# KiCad board panel-74pad-70pin-mezzanine.kicad_pcb (continued)
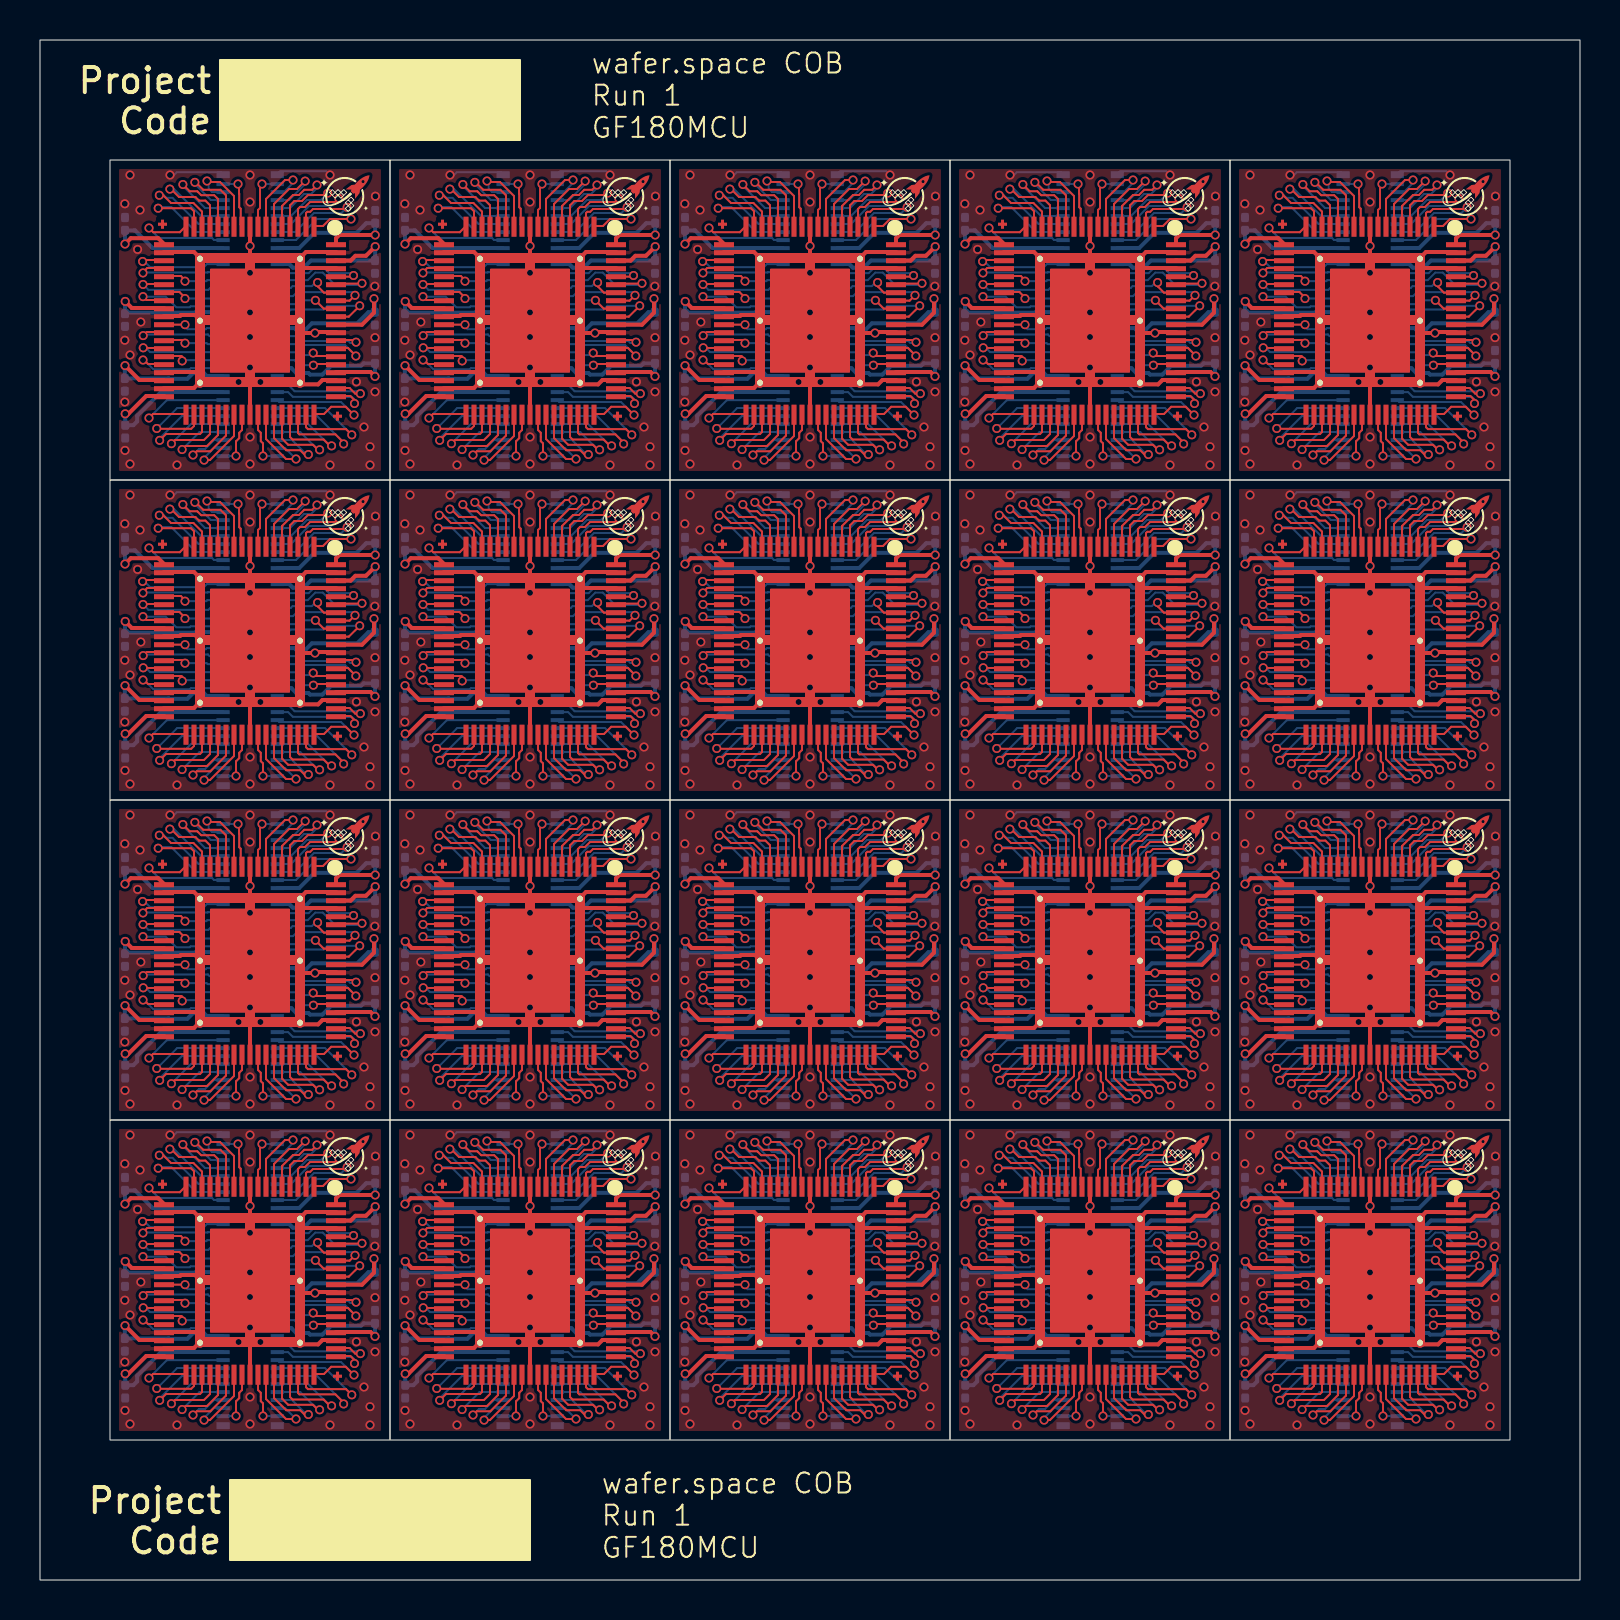
[diagram p0: board, top side]
## Routing (per net, layer and track width the routed paths; a pad name or vN(x,y) marks a point on that pad's centre or on a via; arc(x,y) is an arc through that point) (continued)
/pad_29: length 60.8
  Top w0.1: 62.2,14 63.09,14 v1(63.25,13.84) ; v1(49.25,29.84) 49.09,30 48.2,30 ; v1(63.25,29.84) 63.09,30 62.2,30 ; v1(21.25,13.84) 21.09,14 20.2,14 ; v1(21.25,61.84) 21.09,62 20.2,62 ; v1(7.25,61.84) 7.09,62 6.2,62 ; 34.2,14 35.09,14 v1(35.25,13.84) ; v1(49.25,61.84) 49.09,62 48.2,62 ; v1(35.25,45.84) 35.09,46 34.2,46 ; v1(63.25,45.84) 63.09,46 62.2,46 ; v1(7.25,13.84) 7.09,14 6.2,14 ; v1(21.25,45.84) 21.09,46 20.2,46 ; 20.2,30 21.09,30 v1(21.25,29.84) ; v1(63.25,61.84) 63.09,62 62.2,62 ; v1(49.25,13.84) 49.09,14 48.2,14 ; v1(49.25,45.84) 49.09,46 48.2,46 ; v1(7.25,29.84) 7.09,30 6.2,30 ; v1(7.25,45.84) 7.09,46 6.2,46 ; 34.2,30 35.09,30 v1(35.25,29.84) ; 34.2,62 35.09,62 v1(35.25,61.84)
  Bottom w0.1: v1(21.25,29.84) 22.33,29.84 22.38,29.8 U123.50 ; U117.50 50.38,45.8 50.33,45.84 v1(49.25,45.84) ; U121.50 8.38,29.8 8.33,29.84 v1(7.25,29.84) ; v1(35.25,45.84) 36.33,45.84 36.38,45.8 U115.50 ; v1(7.25,61.84) 8.33,61.84 8.38,61.8 U101.50 ; U109.50 64.38,61.8 64.33,61.84 v1(63.25,61.84) ; v1(21.25,13.84) 22.33,13.84 22.38,13.8 U133.50 ; v1(21.25,45.84) 22.33,45.84 22.38,45.8 U113.50 ; v1(63.25,45.84) 64.33,45.84 64.38,45.8 U119.50 ; U125.50 36.38,29.8 36.33,29.84 v1(35.25,29.84) ; U107.50 50.38,61.8 50.33,61.84 v1(49.25,61.84) ; v1(35.25,13.84) 36.33,13.84 36.38,13.8 U135.50 ; U111.50 8.38,45.8 8.33,45.84 v1(7.25,45.84) ; v1(63.25,29.84) 64.33,29.84 64.38,29.8 U129.50 ; v1(7.25,13.84) 8.33,13.84 8.38,13.8 U131.50 ; v1(63.25,13.84) 64.33,13.84 64.38,13.8 U139.50 ; v1(21.25,61.84) 22.33,61.84 22.38,61.8 U103.50 ; v1(35.25,61.84) 36.33,61.84 36.38,61.8 U105.50 ; v1(49.25,29.84) 50.33,29.84 50.38,29.8 U127.50 ; v1(49.25,13.84) 50.33,13.84 50.38,13.8 U137.50
/pad_30: length 102.5
  Top w0.1: v1(61.16,13.61) 61.29,13.61 61.3,13.6 62.2,13.6 ; v1(5.16,29.61) 5.29,29.61 5.3,29.6 6.2,29.6 ; v1(47.16,13.61) 47.29,13.61 47.3,13.6 48.2,13.6 ; v1(33.16,29.61) 33.29,29.61 33.3,29.6 34.2,29.6 ; v1(19.16,61.61) 19.29,61.61 19.3,61.6 20.2,61.6 ; 48.2,45.6 47.3,45.6 47.29,45.61 v1(47.16,45.61) ; v1(33.16,61.61) 33.29,61.61 33.3,61.6 34.2,61.6 ; 20.2,13.6 19.3,13.6 19.29,13.61 v1(19.16,13.61) ; v1(47.16,29.61) 47.29,29.61 47.3,29.6 48.2,29.6 ; v1(61.16,29.61) 61.29,29.61 61.3,29.6 62.2,29.6 ; v1(61.16,45.61) 61.29,45.61 61.3,45.6 62.2,45.6 ; 6.2,13.6 5.3,13.6 5.29,13.61 v1(5.16,13.61) ; 6.2,45.6 5.3,45.6 5.29,45.61 v1(5.16,45.61) ; v1(33.16,13.61) 33.29,13.61 33.3,13.6 34.2,13.6 ; v1(19.16,45.61) 19.29,45.61 19.3,45.6 20.2,45.6 ; 62.2,61.6 61.3,61.6 61.29,61.61 v1(61.16,61.61) ; 48.2,61.6 47.3,61.6 47.29,61.61 v1(47.16,61.61) ; 6.2,61.6 5.3,61.6 5.29,61.61 v1(5.16,61.61) ; 20.2,29.6 19.3,29.6 19.29,29.61 v1(19.16,29.61) ; v1(33.16,45.61) 33.29,45.61 33.3,45.6 34.2,45.6
  Bottom w0.1: 23.15,45.39 19.51,45.39 19.29,45.61 v1(19.16,45.61) ; v1(33.16,29.61) 33.29,29.61 33.51,29.39 37.15,29.39 ; U101.49 5.51,61.4 5.29,61.61 v1(5.16,61.61) ; U103.49 19.51,61.4 19.29,61.61 v1(19.16,61.61) ; 9.15,29.39 5.51,29.39 5.29,29.61 v1(5.16,29.61) ; U109.49 61.51,61.4 61.29,61.61 v1(61.16,61.61) ; v1(47.16,45.61) 47.29,45.61 47.51,45.39 51.15,45.39 ; 65.16,13.39 61.51,13.39 61.29,13.61 v1(61.16,13.61) ; 51.15,13.39 47.51,13.39 47.29,13.61 v1(47.16,13.61) ; 9.15,45.39 5.51,45.39 5.29,45.61 v1(5.16,45.61) ; v1(33.16,13.61) 33.29,13.61 33.51,13.39 37.15,13.39 ; v1(33.16,45.61) 33.29,45.61 33.51,45.39 37.15,45.39 ; 65.16,29.39 61.51,29.39 61.29,29.61 v1(61.16,29.61) ; U105.49 33.51,61.4 33.29,61.61 v1(33.16,61.61) ; v1(19.16,13.61) 19.29,13.61 19.51,13.39 23.15,13.39 ; U107.49 47.51,61.4 47.29,61.61 v1(47.16,61.61) ; v1(5.16,13.61) 5.29,13.61 5.51,13.39 9.15,13.39 ; 65.16,45.39 61.51,45.39 61.29,45.61 v1(61.16,45.61) ; 23.15,29.39 19.51,29.39 19.29,29.61 v1(19.16,29.61) ; 51.15,29.39 47.51,29.39 47.29,29.61 v1(47.16,29.61)
/pad_31: length 63.9
  Top w0.1: v1(35.11,44.95) 35.11,45.16 35.07,45.2 34.2,45.2 ; v1(7.11,12.95) 7.11,13.16 7.07,13.2 6.2,13.2 ; 62.2,13.2 63.07,13.2 63.11,13.16 v1(63.11,12.95) ; 6.2,45.2 7.07,45.2 7.11,45.16 v1(7.11,44.95) ; 48.2,13.2 49.07,13.2 49.11,13.16 v1(49.11,12.95) ; v1(21.11,12.95) 21.11,13.16 21.07,13.2 20.2,13.2 ; v1(21.11,44.95) 21.11,45.16 21.07,45.2 20.2,45.2 ; 34.2,29.2 35.07,29.2 35.11,29.16 v1(35.11,28.95) ; v1(7.11,60.95) 7.11,61.16 7.07,61.2 6.2,61.2 ; 34.2,61.2 35.07,61.2 35.11,61.16 v1(35.11,60.95) ; 48.2,29.2 49.07,29.2 49.11,29.16 v1(49.11,28.95) ; v1(35.11,12.95) 35.11,13.16 35.07,13.2 34.2,13.2 ; v1(49.11,60.95) 49.11,61.16 49.07,61.2 48.2,61.2 ; v1(63.11,60.95) 63.11,61.16 63.07,61.2 62.2,61.2 ; v1(63.11,28.95) 63.11,29.16 63.07,29.2 62.2,29.2 ; v1(49.11,44.95) 49.11,45.16 49.07,45.2 48.2,45.2 ; v1(21.11,60.95) 21.11,61.16 21.07,61.2 20.2,61.2 ; 62.2,45.2 63.07,45.2 63.11,45.16 v1(63.11,44.95) ; v1(7.11,28.95) 7.11,29.16 7.07,29.2 6.2,29.2 ; v1(21.11,28.95) 21.11,29.16 21.07,29.2 20.2,29.2
  Bottom w0.1: v1(35.11,44.95) 35.15,45 U115.48 ; v1(49.11,12.95) 49.15,13 U137.48 ; U133.48 21.15,13 v1(21.11,12.95) ; U139.48 63.15,13 v1(63.11,12.95) ; U119.48 63.15,45 v1(63.11,44.95) ; v1(7.11,28.95) 7.15,29 U121.48 ; v1(35.11,28.95) 35.15,29 U125.48 ; v1(49.11,28.95) 49.15,29 U127.48 ; v1(35.11,60.95) 35.15,60.99 U105.48 ; U101.48 7.15,60.99 v1(7.11,60.95) ; U117.48 49.15,45 v1(49.11,44.95) ; U103.48 21.15,60.99 v1(21.11,60.95) ; v1(35.11,12.95) 35.15,13 U135.48 ; v1(63.11,60.95) 63.15,60.99 U109.48 ; v1(63.11,28.95) 63.15,29 U129.48 ; v1(21.11,28.95) 21.15,29 U123.48 ; U107.48 49.15,60.99 v1(49.11,60.95) ; U131.48 7.15,13 v1(7.11,12.95) ; U113.48 21.15,45 v1(21.11,44.95) ; U111.48 7.15,45 v1(7.11,44.95)
/pad_32: length 107.1
  Top w0.1: 20.2,44.8 19.4,44.8 19.2,45 v1(19.15,45) ; v1(19.15,61) 19.2,61 19.4,60.8 20.2,60.8 ; v1(61.15,61) 61.2,61 61.4,60.8 62.2,60.8 ; v1(5.15,13) 5.2,13 5.4,12.8 6.2,12.8 ; v1(33.15,45) 33.2,45 33.4,44.8 34.2,44.8 ; 34.2,60.8 33.4,60.8 33.2,61 v1(33.15,61) ; 48.2,28.8 47.4,28.8 47.2,29 v1(47.15,29) ; v1(61.15,45) 61.2,45 61.4,44.8 62.2,44.8 ; v1(5.15,61) 5.2,61 5.4,60.8 6.2,60.8 ; v1(33.15,13) 33.2,13 33.4,12.8 34.2,12.8 ; 20.2,12.8 19.4,12.8 19.2,13 v1(19.15,13) ; 6.2,28.8 5.4,28.8 5.2,29 v1(5.15,29) ; v1(61.15,29) 61.2,29 61.4,28.8 62.2,28.8 ; v1(47.15,61) 47.2,61 47.4,60.8 48.2,60.8 ; 34.2,28.8 33.4,28.8 33.2,29 v1(33.15,29) ; v1(61.15,13) 61.2,13 61.4,12.8 62.2,12.8 ; v1(5.15,45) 5.2,45 5.4,44.8 6.2,44.8 ; 48.2,12.8 47.4,12.8 47.2,13 v1(47.15,13) ; 48.2,44.8 47.4,44.8 47.2,45 v1(47.15,45) ; 20.2,28.8 19.4,28.8 19.2,29 v1(19.15,29)
  Bottom w0.1: U137.47 49.54,12.59 49.49,12.54 47.66,12.54 47.2,13 v1(47.15,13) ; U123.47 21.54,28.59 21.49,28.54 19.66,28.54 19.2,29 v1(19.15,29) ; v1(33.15,13) 33.2,13 33.66,12.54 35.49,12.54 35.54,12.59 U135.47 ; U107.47 49.54,60.59 49.49,60.54 47.66,60.54 47.2,61 v1(47.15,61) ; U109.47 63.54,60.59 63.49,60.54 61.66,60.54 61.2,61 v1(61.15,61) ; U121.47 7.54,28.59 7.49,28.54 5.66,28.54 5.2,29 v1(5.15,29) ; U101.47 7.54,60.59 7.49,60.54 5.66,60.54 5.2,61 v1(5.15,61) ; U125.47 35.54,28.59 35.49,28.54 33.66,28.54 33.2,29 v1(33.15,29) ; U129.47 63.54,28.59 63.49,28.54 61.66,28.54 61.2,29 v1(61.15,29) ; v1(61.15,13) 61.2,13 61.66,12.54 63.49,12.54 63.54,12.59 U139.47 ; v1(61.15,45) 61.2,45 61.66,44.54 63.49,44.54 63.54,44.59 U119.47 ; U115.47 35.54,44.59 35.49,44.54 33.66,44.54 33.2,45 v1(33.15,45) ; U103.47 21.54,60.59 21.49,60.54 19.66,60.54 19.2,61 v1(19.15,61) ; U105.47 35.54,60.59 35.49,60.54 33.66,60.54 33.2,61 v1(33.15,61) ; U133.47 21.54,12.59 21.49,12.54 19.66,12.54 19.2,13 v1(19.15,13) ; U127.47 49.54,28.59 49.49,28.54 47.66,28.54 47.2,29 v1(47.15,29) ; U131.47 7.54,12.59 7.49,12.54 5.66,12.54 5.2,13 v1(5.15,13) ; v1(19.15,45) 19.2,45 19.66,44.54 21.49,44.54 21.54,44.59 U113.47 ; U111.47 7.54,44.59 7.49,44.54 5.66,44.54 5.2,45 v1(5.15,45) ; v1(47.15,45) 47.2,45 47.66,44.54 49.49,44.54 49.54,44.59 U117.47
/pad_37: length 120
  Top w0.1: 63.3,58.3 61.65,58.3 v1(61.45,58.1) ; v1(61.45,10.1) 61.65,10.3 63.3,10.3 ; v1(47.45,58.1) 47.65,58.3 49.3,58.3 ; 49.3,10.3 47.65,10.3 v1(47.45,10.1) ; 21.3,58.3 19.65,58.3 v1(19.45,58.1) ; v1(19.45,42.1) 19.65,42.3 21.3,42.3 ; 49.3,42.3 47.65,42.3 v1(47.45,42.1) ; 21.3,10.3 19.65,10.3 v1(19.45,10.1) ; v1(61.45,42.1) 61.65,42.3 63.3,42.3 ; v1(19.45,26.1) 19.65,26.3 21.3,26.3 ; 7.3,42.3 5.65,42.3 v1(5.45,42.1) ; v1(5.45,58.1) 5.65,58.3 7.3,58.3 ; 35.3,10.3 33.65,10.3 v1(33.45,10.1) ; v1(5.45,26.1) 5.65,26.3 7.3,26.3 ; 35.3,58.3 33.65,58.3 v1(33.45,58.1) ; v1(5.45,10.1) 5.65,10.3 7.3,10.3 ; 35.3,42.3 33.65,42.3 v1(33.45,42.1) ; 35.3,26.3 33.65,26.3 v1(33.45,26.1) ; 49.3,26.3 47.65,26.3 v1(47.45,26.1) ; v1(61.45,26.1) 61.65,26.3 63.3,26.3
  Bottom w0.1: v1(33.45,58.1) 34.34,58.99 37.13,58.99 37.15,59 ; 37.15,11 37.13,10.99 34.34,10.99 v1(33.45,10.1) ; 51.15,43 51.13,42.99 48.34,42.99 v1(47.45,42.1) ; v1(61.45,58.1) 62.34,58.99 65.13,58.99 65.15,59 ; v1(5.45,58.1) 6.34,58.99 9.13,58.99 9.15,59 ; v1(5.45,42.1) 6.34,42.99 9.13,42.99 9.15,43 ; 51.15,59 51.13,58.99 48.34,58.99 v1(47.45,58.1) ; 9.15,11 9.13,10.99 6.34,10.99 v1(5.45,10.1) ; 23.15,11 23.13,10.99 20.34,10.99 v1(19.45,10.1) ; v1(33.45,42.1) 34.34,42.99 37.13,42.99 37.15,43 ; v1(33.45,26.1) 34.34,26.99 37.13,26.99 37.15,27 ; v1(5.45,26.1) 6.34,26.99 9.13,26.99 9.15,27 ; v1(61.45,42.1) 62.34,42.99 65.13,42.99 65.15,43 ; 65.15,27 65.13,26.99 62.34,26.99 v1(61.45,26.1) ; v1(47.45,26.1) 48.34,26.99 51.13,26.99 51.15,27 ; v1(19.45,42.1) 20.34,42.99 23.13,42.99 23.15,43 ; 23.15,27 23.13,26.99 20.34,26.99 v1(19.45,26.1) ; v1(19.45,58.1) 20.34,58.99 23.13,58.99 23.15,59 ; 65.15,11 65.13,10.99 62.34,10.99 v1(61.45,10.1) ; 51.15,11 51.13,10.99 48.34,10.99 v1(47.45,10.1)
/pad_38: length 125.1
  Top w0.1: v1(33.84,41.58) 33.85,41.56 35.56,41.56 35.7,41.7 35.7,42.3 ; v1(61.84,57.58) 61.85,57.56 63.56,57.56 63.7,57.7 63.7,58.3 ; 21.7,26.3 21.7,25.7 21.56,25.56 19.85,25.56 v1(19.84,25.58) ; 21.7,58.3 21.7,57.7 21.56,57.56 19.85,57.56 v1(19.84,57.58) ; 63.7,42.3 63.7,41.7 63.56,41.56 61.85,41.56 v1(61.84,41.58) ; v1(47.84,9.58) 47.85,9.56 49.56,9.56 49.7,9.7 49.7,10.3 ; v1(33.84,57.58) 33.85,57.56 35.56,57.56 35.7,57.7 35.7,58.3 ; 35.7,26.3 35.7,25.7 35.56,25.56 33.85,25.56 v1(33.84,25.58) ; 21.7,42.3 21.7,41.7 21.56,41.56 19.85,41.56 v1(19.84,41.58) ; v1(5.84,25.58) 5.85,25.56 7.56,25.56 7.7,25.7 7.7,26.3 ; 21.7,10.3 21.7,9.7 21.56,9.56 19.85,9.56 v1(19.84,9.58) ; v1(47.84,57.58) 47.85,57.56 49.56,57.56 49.7,57.7 49.7,58.3 ; 35.7,10.3 35.7,9.7 35.56,9.56 33.85,9.56 v1(33.84,9.58) ; v1(5.84,41.58) 5.85,41.56 7.56,41.56 7.7,41.7 7.7,42.3 ; v1(47.84,25.58) 47.85,25.56 49.56,25.56 49.7,25.7 49.7,26.3 ; v1(47.84,41.58) 47.85,41.56 49.56,41.56 49.7,41.7 49.7,42.3 ; v1(5.84,57.58) 5.85,57.56 7.56,57.56 7.7,57.7 7.7,58.3 ; 7.7,10.3 7.7,9.7 7.56,9.56 5.85,9.56 v1(5.84,9.58) ; 63.7,26.3 63.7,25.7 63.56,25.56 61.85,25.56 v1(61.84,25.58) ; v1(61.84,9.58) 61.85,9.56 63.56,9.56 63.7,9.7 63.7,10.3
  Bottom w0.1: 37.15,26.6 34.86,26.6 v1(33.84,25.58) ; v1(5.84,57.58) 6.86,58.6 9.15,58.6 ; v1(61.84,57.58) 62.86,58.6 65.15,58.6 ; 23.15,26.6 20.86,26.6 v1(19.84,25.58) ; v1(61.84,9.58) 62.86,10.6 65.15,10.6 ; v1(47.84,9.58) 48.86,10.6 51.15,10.6 ; v1(61.84,25.58) 62.86,26.6 65.15,26.6 ; 23.15,42.6 20.86,42.6 v1(19.84,41.58) ; v1(19.84,57.58) 20.86,58.6 23.15,58.6 ; 51.15,26.6 48.86,26.6 v1(47.84,25.58) ; v1(47.84,41.58) 48.86,42.6 51.15,42.6 ; 51.15,58.6 48.86,58.6 v1(47.84,57.58) ; v1(5.84,9.58) 6.86,10.6 9.15,10.6 ; v1(61.84,41.58) 62.86,42.6 65.15,42.6 ; v1(33.84,9.58) 34.86,10.6 37.15,10.6 ; 9.15,26.6 6.86,26.6 v1(5.84,25.58) ; 23.15,10.6 20.86,10.6 v1(19.84,9.58) ; v1(33.84,57.58) 34.86,58.6 37.15,58.6 ; v1(33.84,41.58) 34.86,42.6 37.15,42.6 ; 9.15,42.6 6.86,42.6 v1(5.84,41.58)
/pad_39: length 138.3
  Top w0.1: 50.1,42.3 50.1,41.4 50,41.3 48.3,41.3 v1(47.98,40.98) ; 8.1,26.3 8.1,25.4 8,25.3 6.3,25.3 v1(5.98,24.98) ; v1(5.98,56.98) 6.3,57.3 8,57.3 8.1,57.4 8.1,58.3 ; v1(47.98,56.98) 48.3,57.3 50,57.3 50.1,57.4 50.1,58.3 ; 36.1,58.3 36.1,57.4 36,57.3 34.3,57.3 v1(33.98,56.98) ; v1(19.98,24.98) 20.3,25.3 22,25.3 22.1,25.4 22.1,26.3 ; v1(47.98,24.98) 48.3,25.3 50,25.3 50.1,25.4 50.1,26.3 ; v1(61.98,40.98) 62.3,41.3 64,41.3 64.1,41.4 64.1,42.3 ; 64.1,58.3 64.1,57.4 64,57.3 62.3,57.3 v1(61.98,56.98) ; 64.1,26.3 64.1,25.4 64,25.3 62.3,25.3 v1(61.98,24.98) ; v1(19.98,40.98) 20.3,41.3 22,41.3 22.1,41.4 22.1,42.3 ; v1(47.98,8.98) 48.3,9.3 50,9.3 50.1,9.4 50.1,10.3 ; v1(5.98,8.98) 6.3,9.3 8,9.3 8.1,9.4 8.1,10.3 ; 22.1,10.3 22.1,9.4 22,9.3 20.3,9.3 v1(19.98,8.98) ; v1(33.98,24.98) 34.3,25.3 36,25.3 36.1,25.4 36.1,26.3 ; 8.1,42.3 8.1,41.4 8,41.3 6.3,41.3 v1(5.98,40.98) ; 36.1,42.3 36.1,41.4 36,41.3 34.3,41.3 v1(33.98,40.98) ; v1(19.98,56.98) 20.3,57.3 22,57.3 22.1,57.4 22.1,58.3 ; 64.1,10.3 64.1,9.4 64,9.3 62.3,9.3 v1(61.98,8.98) ; 36.1,10.3 36.1,9.4 36,9.3 34.3,9.3 v1(33.98,8.98)
  Bottom w0.1: 23.15,26.2 21.1,26.2 19.98,25.08 v1(19.98,24.98) ; v1(61.98,56.98) 61.98,57.08 63.1,58.2 65.15,58.2 ; 37.15,10.2 35.1,10.2 33.98,9.08 v1(33.98,8.98) ; 23.15,10.2 21.1,10.2 19.98,9.08 v1(19.98,8.98) ; 51.15,42.2 49.1,42.2 47.98,41.08 v1(47.98,40.98) ; 51.15,58.2 49.1,58.2 47.98,57.08 v1(47.98,56.98) ; v1(33.98,56.98) 33.98,57.08 35.1,58.2 37.15,58.2 ; v1(33.98,40.98) 33.98,41.08 35.1,42.2 37.15,42.2 ; v1(47.98,24.98) 47.98,25.08 49.1,26.2 51.15,26.2 ; 23.15,58.2 21.1,58.2 19.98,57.08 v1(19.98,56.98) ; 51.15,10.2 49.1,10.2 47.98,9.08 v1(47.98,8.98) ; v1(61.98,8.98) 61.98,9.08 63.1,10.2 65.15,10.2 ; 37.15,26.2 35.1,26.2 33.98,25.08 v1(33.98,24.98) ; v1(19.98,40.98) 19.98,41.08 21.1,42.2 23.15,42.2 ; v1(5.98,8.98) 5.98,9.08 7.1,10.2 9.15,10.2 ; v1(5.98,40.98) 5.98,41.08 7.1,42.2 9.15,42.2 ; 9.15,58.2 7.1,58.2 5.98,57.08 v1(5.98,56.98) ; 65.15,42.2 63.1,42.2 61.98,41.08 v1(61.98,40.98) ; v1(61.98,24.98) 61.98,25.08 63.1,26.2 65.15,26.2 ; 9.15,26.2 7.1,26.2 5.98,25.08 v1(5.98,24.98)
/pad_40: length 122.3
  Top w0.1: v1(20.57,24.82) 20.75,25 22.2,25 22.5,25.3 22.5,26.3 ; 36.5,58.3 36.5,57.3 36.2,57 34.75,57 v1(34.57,56.82) ; v1(34.57,8.82) 34.75,9 36.2,9 36.5,9.3 36.5,10.3 ; 8.5,10.3 8.5,9.3 8.2,9 6.75,9 v1(6.57,8.82) ; 64.5,42.3 64.5,41.3 64.2,41 62.75,41 v1(62.57,40.82) ; 8.5,26.3 8.5,25.3 8.2,25 6.75,25 v1(6.57,24.82) ; 50.5,42.3 50.5,41.3 50.2,41 48.75,41 v1(48.57,40.82) ; v1(48.57,56.82) 48.75,57 50.2,57 50.5,57.3 50.5,58.3 ; v1(20.57,40.82) 20.75,41 22.2,41 22.5,41.3 22.5,42.3 ; v1(20.57,56.82) 20.75,57 22.2,57 22.5,57.3 22.5,58.3 ; v1(48.57,24.82) 48.75,25 50.2,25 50.5,25.3 50.5,26.3 ; v1(34.57,24.82) 34.75,25 36.2,25 36.5,25.3 36.5,26.3 ; v1(62.57,24.82) 62.75,25 64.2,25 64.5,25.3 64.5,26.3 ; v1(6.57,56.82) 6.75,57 8.2,57 8.5,57.3 8.5,58.3 ; v1(62.57,8.82) 62.75,9 64.2,9 64.5,9.3 64.5,10.3 ; v1(34.57,40.82) 34.75,41 36.2,41 36.5,41.3 36.5,42.3 ; 64.5,58.3 64.5,57.3 64.2,57 62.75,57 v1(62.57,56.82) ; v1(20.57,8.82) 20.75,9 22.2,9 22.5,9.3 22.5,10.3 ; v1(6.57,40.82) 6.75,41 8.2,41 8.5,41.3 8.5,42.3 ; 50.5,10.3 50.5,9.3 50.2,9 48.75,9 v1(48.57,8.82)
  Bottom w0.1: 9.15,57.8 7.55,57.8 v1(6.57,56.82) ; 9.15,41.8 7.55,41.8 v1(6.57,40.82) ; 37.15,57.8 35.55,57.8 v1(34.57,56.82) ; 51.15,25.8 49.55,25.8 v1(48.57,24.82) ; v1(48.57,8.82) 49.55,9.8 51.15,9.8 ; 51.15,57.8 49.55,57.8 v1(48.57,56.82) ; 9.15,9.8 7.55,9.8 v1(6.57,8.82) ; 23.15,25.8 21.55,25.8 v1(20.57,24.82) ; v1(34.57,8.82) 35.55,9.8 37.15,9.8 ; 51.15,41.8 49.55,41.8 v1(48.57,40.82) ; v1(20.57,40.82) 21.55,41.8 23.15,41.8 ; v1(6.57,24.82) 7.55,25.8 9.15,25.8 ; 23.15,9.8 21.55,9.8 v1(20.57,8.82) ; v1(62.57,8.82) 63.55,9.8 65.15,9.8 ; v1(34.57,24.82) 35.55,25.8 37.15,25.8 ; v1(62.57,40.82) 63.55,41.8 65.15,41.8 ; 23.15,57.8 21.55,57.8 v1(20.57,56.82) ; 65.15,25.8 63.55,25.8 v1(62.57,24.82) ; 65.15,57.8 63.55,57.8 v1(62.57,56.82) ; 37.15,41.8 35.55,41.8 v1(34.57,40.82)
/pad_41: length 111
  Top w0.1: 50.9,26.3 50.9,25.25 50.35,24.7 49.28,24.7 v1(49.1,24.52) ; v1(21.1,40.52) 21.28,40.7 22.35,40.7 22.9,41.25 22.9,42.3 ; v1(63.1,40.52) 63.28,40.7 64.35,40.7 64.9,41.25 64.9,42.3 ; v1(49.1,8.52) 49.28,8.7 50.35,8.7 50.9,9.25 50.9,10.3 ; 36.9,42.3 36.9,41.25 36.35,40.7 35.28,40.7 v1(35.1,40.52) ; 64.9,26.3 64.9,25.25 64.35,24.7 63.28,24.7 v1(63.1,24.52) ; v1(63.1,8.52) 63.28,8.7 64.35,8.7 64.9,9.25 64.9,10.3 ; 64.9,58.3 64.9,57.25 64.35,56.7 63.28,56.7 v1(63.1,56.52) ; v1(7.1,56.52) 7.28,56.7 8.35,56.7 8.9,57.25 8.9,58.3 ; 22.9,26.3 22.9,25.25 22.35,24.7 21.28,24.7 v1(21.1,24.52) ; 50.9,42.3 50.9,41.25 50.35,40.7 49.28,40.7 v1(49.1,40.52) ; 50.9,58.3 50.9,57.25 50.35,56.7 49.28,56.7 v1(49.1,56.52) ; 36.9,26.3 36.9,25.25 36.35,24.7 35.28,24.7 v1(35.1,24.52) ; 8.9,26.3 8.9,25.25 8.35,24.7 7.28,24.7 v1(7.1,24.52) ; 36.9,58.3 36.9,57.25 36.35,56.7 35.28,56.7 v1(35.1,56.52) ; 22.9,10.3 22.9,9.25 22.35,8.7 21.28,8.7 v1(21.1,8.52) ; 22.9,58.3 22.9,57.25 22.35,56.7 21.28,56.7 v1(21.1,56.52) ; 8.9,10.3 8.9,9.25 8.35,8.7 7.28,8.7 v1(7.1,8.52) ; 8.9,42.3 8.9,41.25 8.35,40.7 7.28,40.7 v1(7.1,40.52) ; 36.9,10.3 36.9,9.25 36.35,8.7 35.28,8.7 v1(35.1,8.52)
  Bottom w0.1: v1(35.1,40.52) 35.98,41.4 37.15,41.4 ; 65.15,9.4 63.98,9.4 v1(63.1,8.52) ; 65.15,41.4 63.98,41.4 v1(63.1,40.52) ; 51.15,41.4 49.98,41.4 v1(49.1,40.52) ; v1(35.1,24.52) 35.98,25.4 37.15,25.4 ; 51.15,25.4 49.98,25.4 v1(49.1,24.52) ; 37.15,9.4 35.98,9.4 v1(35.1,8.52) ; 9.15,9.4 7.98,9.4 v1(7.1,8.52) ; v1(7.1,40.52) 7.98,41.4 9.15,41.4 ; 51.15,57.4 49.98,57.4 v1(49.1,56.52) ; 37.15,57.4 35.98,57.4 v1(35.1,56.52) ; 65.15,57.4 63.98,57.4 v1(63.1,56.52) ; v1(7.1,24.52) 7.98,25.4 9.15,25.4 ; v1(21.1,24.52) 21.98,25.4 23.15,25.4 ; 65.15,25.4 63.98,25.4 v1(63.1,24.52) ; 9.15,57.4 7.98,57.4 v1(7.1,56.52) ; v1(21.1,40.52) 21.98,41.4 23.15,41.4 ; 23.15,57.4 21.98,57.4 v1(21.1,56.52) ; 23.15,9.4 21.98,9.4 v1(21.1,8.52) ; 51.15,9.4 49.98,9.4 v1(49.1,8.52)
/pad_42: length 98.7
  Top w0.1: 23.3,26.3 23.3,25.22 22.51,24.44 21.84,24.44 v1(21.65,24.25) ; v1(21.65,40.25) 21.84,40.44 22.51,40.44 23.3,41.22 23.3,42.3 ; v1(7.65,24.25) 7.84,24.44 8.51,24.44 9.3,25.22 9.3,26.3 ; 9.3,10.3 9.3,9.22 8.51,8.44 7.84,8.44 v1(7.65,8.25) ; 23.3,10.3 23.3,9.22 22.51,8.44 21.84,8.44 v1(21.65,8.25) ; v1(35.65,24.25) 35.84,24.44 36.51,24.44 37.3,25.22 37.3,26.3 ; 9.3,42.3 9.3,41.22 8.51,40.44 7.84,40.44 v1(7.65,40.25) ; v1(63.65,40.25) 63.84,40.44 64.51,40.44 65.3,41.22 65.3,42.3 ; v1(21.65,56.25) 21.84,56.44 22.51,56.44 23.3,57.22 23.3,58.3 ; v1(49.65,40.25) 49.84,40.44 50.51,40.44 51.3,41.22 51.3,42.3 ; v1(63.65,8.25) 63.84,8.44 64.51,8.44 65.3,9.22 65.3,10.3 ; v1(35.65,8.25) 35.84,8.44 36.51,8.44 37.3,9.22 37.3,10.3 ; 51.3,26.3 51.3,25.22 50.51,24.44 49.84,24.44 v1(49.65,24.25) ; 51.3,58.3 51.3,57.22 50.51,56.44 49.84,56.44 v1(49.65,56.25) ; v1(49.65,8.25) 49.84,8.44 50.51,8.44 51.3,9.22 51.3,10.3 ; v1(35.65,40.25) 35.84,40.44 36.51,40.44 37.3,41.22 37.3,42.3 ; 37.3,58.3 37.3,57.22 36.51,56.44 35.84,56.44 v1(35.65,56.25) ; 65.3,58.3 65.3,57.22 64.51,56.44 63.84,56.44 v1(63.65,56.25) ; 65.3,26.3 65.3,25.22 64.51,24.44 63.84,24.44 v1(63.65,24.25) ; v1(7.65,56.25) 7.84,56.44 8.51,56.44 9.3,57.22 9.3,58.3
  Bottom w0.1: v1(21.65,56.25) 21.95,56.55 22.25,56.55 22.7,57 23.15,57 ; 65.15,41 64.7,41 64.25,40.55 63.95,40.55 v1(63.65,40.25) ; v1(49.65,24.25) 49.95,24.55 50.25,24.55 50.7,25 51.15,25 ; 23.15,25 22.7,25 22.25,24.55 21.95,24.55 v1(21.65,24.25) ; 51.15,9 50.7,9 50.25,8.55 49.95,8.55 v1(49.65,8.25) ; v1(35.65,40.25) 35.95,40.55 36.25,40.55 36.7,41 37.15,41 ; v1(63.65,8.25) 63.95,8.55 64.25,8.55 64.7,9 65.15,9 ; v1(63.65,24.25) 63.95,24.55 64.25,24.55 64.7,25 65.15,25 ; 23.15,9 22.7,9 22.25,8.55 21.95,8.55 v1(21.65,8.25) ; 23.15,41 22.7,41 22.25,40.55 21.95,40.55 v1(21.65,40.25) ; 37.15,57 36.7,57 36.25,56.55 35.95,56.55 v1(35.65,56.25) ; 9.15,57 8.7,57 8.25,56.55 7.95,56.55 v1(7.65,56.25) ; 65.15,57 64.7,57 64.25,56.55 63.95,56.55 v1(63.65,56.25) ; v1(49.65,40.25) 49.95,40.55 50.25,40.55 50.7,41 51.15,41 ; v1(49.65,56.25) 49.95,56.55 50.25,56.55 50.7,57 51.15,57 ; v1(35.65,24.25) 35.95,24.55 36.25,24.55 36.7,25 37.15,25 ; v1(7.65,24.25) 7.95,24.55 8.25,24.55 8.7,25 9.15,25 ; 9.15,41 8.7,41 8.25,40.55 7.95,40.55 v1(7.65,40.25) ; 9.15,9 8.7,9 8.25,8.55 7.95,8.55 v1(7.65,8.25) ; 37.15,9 36.7,9 36.25,8.55 35.95,8.55 v1(35.65,8.25)
/pad_43: length 87
  Top w0.1: 9.7,58.3 9.7,57.2 8.5,56 8.21,56 v1(8.2,56) ; 37.7,42.3 37.7,41.2 36.5,40 36.21,40 v1(36.2,40) ; 51.7,42.3 51.7,41.2 50.5,40 50.21,40 v1(50.2,40) ; 23.7,26.3 23.7,25.2 22.5,24 22.21,24 v1(22.2,24) ; v1(50.2,56) 50.21,56 50.5,56 51.7,57.2 51.7,58.3 ; 65.7,58.3 65.7,57.2 64.5,56 64.21,56 v1(64.2,56) ; 37.7,58.3 37.7,57.2 36.5,56 36.21,56 v1(36.2,56) ; 9.7,42.3 9.7,41.2 8.5,40 8.21,40 v1(8.2,40) ; 23.7,10.3 23.7,9.2 22.5,8 22.21,8 v1(22.2,8) ; 23.7,42.3 23.7,41.2 22.5,40 22.21,40 v1(22.2,40) ; 51.7,10.3 51.7,9.2 50.5,8 50.21,8 v1(50.2,8) ; 51.7,26.3 51.7,25.2 50.5,24 50.21,24 v1(50.2,24) ; v1(64.2,40) 64.21,40 64.5,40 65.7,41.2 65.7,42.3 ; v1(64.2,24) 64.21,24 64.5,24 65.7,25.2 65.7,26.3 ; 9.7,26.3 9.7,25.2 8.5,24 8.21,24 v1(8.2,24) ; v1(64.2,8) 64.21,8 64.5,8 65.7,9.2 65.7,10.3 ; v1(36.2,24) 36.21,24 36.5,24 37.7,25.2 37.7,26.3 ; v1(8.2,8) 8.21,8 8.5,8 9.7,9.2 9.7,10.3 ; 23.7,58.3 23.7,57.2 22.5,56 22.21,56 v1(22.2,56) ; 37.7,10.3 37.7,9.2 36.5,8 36.21,8 v1(36.2,8)
  Bottom w0.1: v1(8.2,40) 8.3,40.09 8.3,40.2 8.7,40.6 9.15,40.6 ; v1(8.2,24) 8.3,24.09 8.3,24.2 8.7,24.6 9.15,24.6 ; v1(22.2,56) 22.3,56.09 22.3,56.2 22.7,56.6 23.15,56.6 ; 51.15,24.6 50.7,24.6 50.3,24.2 50.3,24.09 v1(50.2,24) ; v1(64.2,40) 64.3,40.09 64.3,40.2 64.7,40.6 65.15,40.6 ; v1(64.2,8) 64.3,8.09 64.3,8.2 64.7,8.6 65.15,8.6 ; 23.15,8.6 22.7,8.6 22.3,8.2 22.3,8.09 v1(22.2,8) ; v1(8.2,8) 8.3,8.09 8.3,8.2 8.7,8.6 9.15,8.6 ; 37.15,8.6 36.7,8.6 36.3,8.2 36.3,8.09 v1(36.2,8) ; v1(36.2,40) 36.3,40.09 36.3,40.2 36.7,40.6 37.15,40.6 ; v1(50.2,56) 50.3,56.09 50.3,56.2 50.7,56.6 51.15,56.6 ; 65.15,56.6 64.7,56.6 64.3,56.2 64.3,56.09 v1(64.2,56) ; v1(36.2,24) 36.3,24.09 36.3,24.2 36.7,24.6 37.15,24.6 ; v1(50.2,40) 50.3,40.09 50.3,40.2 50.7,40.6 51.15,40.6 ; v1(22.2,24) 22.3,24.09 22.3,24.2 22.7,24.6 23.15,24.6 ; 23.15,40.6 22.7,40.6 22.3,40.2 22.3,40.09 v1(22.2,40) ; v1(64.2,24) 64.3,24.09 64.3,24.2 64.7,24.6 65.15,24.6 ; v1(50.2,8) 50.3,8.09 50.3,8.2 50.7,8.6 51.15,8.6 ; v1(36.2,56) 36.3,56.09 36.3,56.2 36.7,56.6 37.15,56.6 ; 9.15,56.6 8.7,56.6 8.3,56.2 8.3,56.09 v1(8.2,56)
/pad_44: length 57.6
  Top w0.1: 52.1,42.3 52.1,41.5 51.96,41.36 51.96,41.09 51.8,40.93 v1(51.8,40.2) ; v1(65.8,56.2) 65.8,56.93 65.96,57.09 65.96,57.36 66.1,57.5 66.1,58.3 ; v1(37.8,56.2) 37.8,56.93 37.96,57.09 37.96,57.36 38.1,57.5 38.1,58.3 ; v1(23.8,40.2) 23.8,40.93 23.96,41.09 23.96,41.36 24.1,41.5 24.1,42.3 ; 10.1,42.3 10.1,41.5 9.96,41.36 9.96,41.09 9.8,40.93 v1(9.8,40.2) ; 38.1,26.3 38.1,25.5 37.96,25.36 37.96,25.09 37.8,24.93 v1(37.8,24.2) ; v1(23.8,56.2) 23.8,56.93 23.96,57.09 23.96,57.36 24.1,57.5 24.1,58.3 ; 10.1,26.3 10.1,25.5 9.96,25.36 9.96,25.09 9.8,24.93 v1(9.8,24.2) ; v1(65.8,40.2) 65.8,40.93 65.96,41.09 65.96,41.36 66.1,41.5 66.1,42.3 ; v1(23.8,24.2) 23.8,24.93 23.96,25.09 23.96,25.36 24.1,25.5 24.1,26.3 ; v1(51.8,56.2) 51.8,56.93 51.96,57.09 51.96,57.36 52.1,57.5 52.1,58.3 ; v1(51.8,24.2) 51.8,24.93 51.96,25.09 51.96,25.36 52.1,25.5 52.1,26.3 ; v1(37.8,40.2) 37.8,40.93 37.96,41.09 37.96,41.36 38.1,41.5 38.1,42.3 ; v1(9.8,56.2) 9.8,56.93 9.96,57.09 9.96,57.36 10.1,57.5 10.1,58.3 ; 24.1,10.3 24.1,9.5 23.96,9.36 23.96,9.09 23.8,8.93 v1(23.8,8.2) ; v1(37.8,8.2) 37.8,8.93 37.96,9.09 37.96,9.36 38.1,9.5 38.1,10.3 ; 52.1,10.3 52.1,9.5 51.96,9.36 51.96,9.09 51.8,8.93 v1(51.8,8.2) ; 66.1,26.3 66.1,25.5 65.96,25.36 65.96,25.09 65.8,24.93 v1(65.8,24.2) ; v1(9.8,8.2) 9.8,8.93 9.96,9.09 9.96,9.36 10.1,9.5 10.1,10.3 ; 66.1,10.3 66.1,9.5 65.96,9.36 65.96,9.09 65.8,8.93 v1(65.8,8.2)
  Bottom w0.1: v1(9.8,24.2) 9.15,24.2 ; v1(9.8,40.2) 9.15,40.2 ; v1(51.8,56.2) 51.15,56.2 ; v1(23.8,56.2) 23.15,56.2 ; v1(51.8,24.2) 51.15,24.2 ; v1(65.8,40.2) 65.15,40.2 ; v1(9.8,56.2) 9.15,56.2 ; v1(9.8,8.2) 9.15,8.2 ; v1(51.8,8.2) 51.15,8.2 ; v1(65.8,8.2) 65.15,8.2 ; v1(23.8,8.2) 23.15,8.2 ; v1(23.8,40.2) 23.15,40.2 ; v1(23.8,24.2) 23.15,24.2 ; v1(65.8,24.2) 65.15,24.2 ; v1(37.8,56.2) 37.15,56.2 ; v1(37.8,24.2) 37.15,24.2 ; v1(65.8,56.2) 65.15,56.2 ; v1(51.8,40.2) 51.15,40.2 ; v1(37.8,8.2) 37.15,8.2 ; v1(37.8,40.2) 37.15,40.2
